# Altium PCB PCB1.PcbDoc (part 1 of 2) (continued)
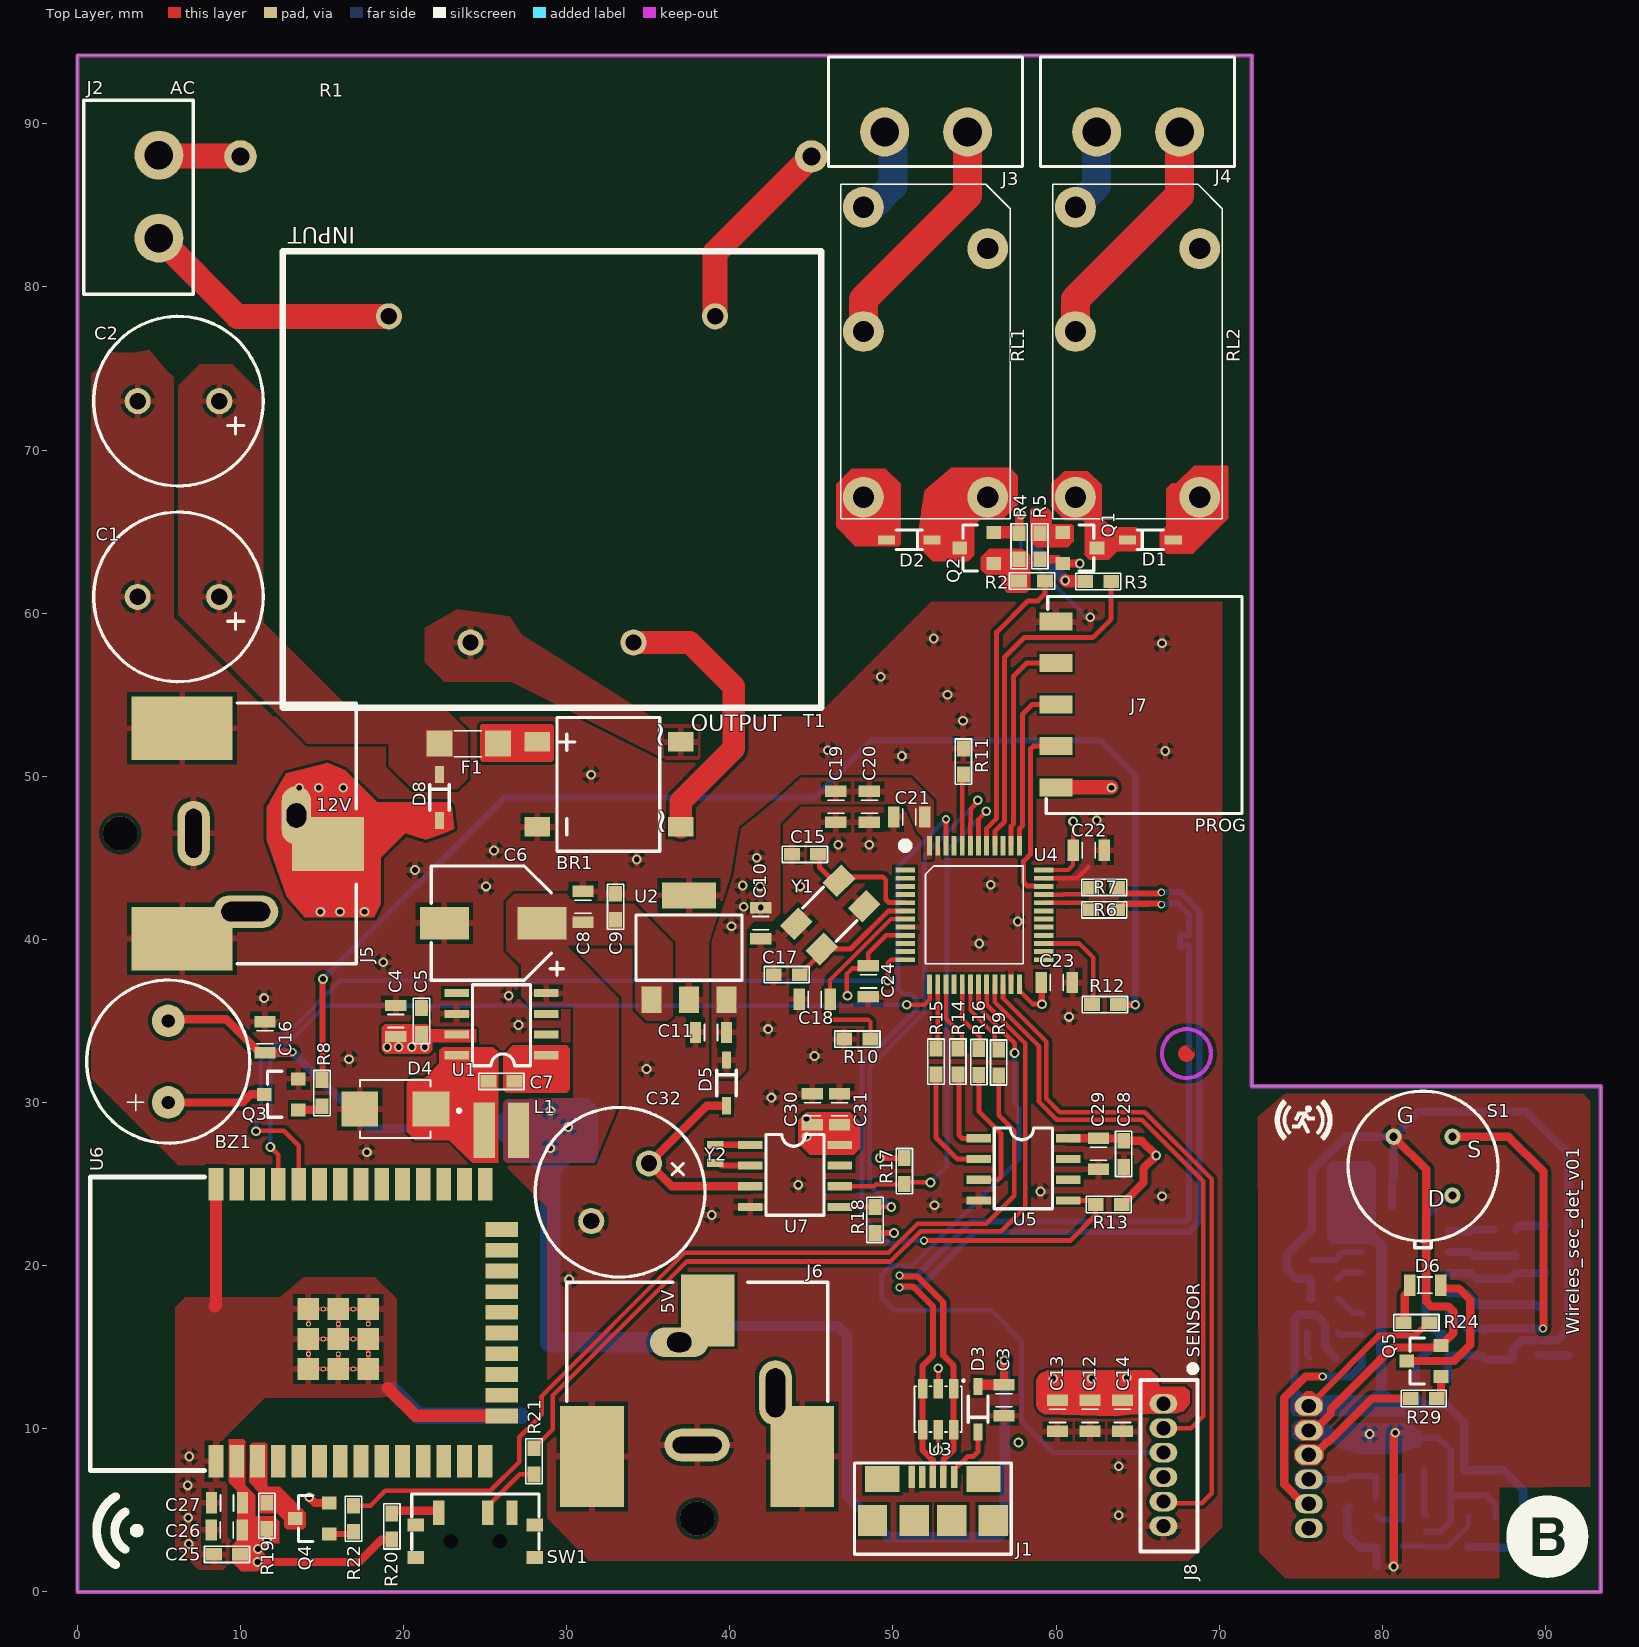
[diagram p0: Top Layer view]
## Design rules (kind name [scope] priority, off if disabled: settings)
Clearance [All] p1: gap=0.229 ignorepadtopadclearanceinfootprint=TRUE except(0: Arc-Text Track-Text SMDPad-Text THPad-Text Via-Text Fill-Text Poly-Text Region-Text Text-Text Text-Hole; 0.178: Arc-Arc Arc-Track Arc-SMDPad Arc-Via Track-Track Track-SMDPad Track-Via SMDPad-Fill SMDPad-Poly SMDPad-Region Fill-Fill Fill-Poly Fill-Region Poly-Poly Poly-Region Region-Region; 0.203: SMDPad-SMDPad SMDPad-THPad; 0.254: Arc-THPad Track-THPad SMDPad-Via THPad-THPad THPad-Via Via-Via)
ComponentClearance [All] p1: gap=0.127 collisioncheckmode=3 verticalgap=0 showdistances=FALSE
Creepage [All] p1: checkdistance=0.254
DiffPairsRouting DiffPairsRouting_1 [InDifferentialPair('MCU')] p1: maxlimit=0.185 minlimit=0.185 mostfreqgap=0.185 toplayer_minwidth=0.279 toplayer_maxwidth=0.279 toplayer_prefwidth=0.279 bottomlayer_minwidth=0.279 bottomlayer_maxwidth=0.279 bottomlayer_prefwidth=0.279 impedanceprofiledriven=TRUE impedanceprofileid={7D18F716-7BC2-454A-B3BB-95C718FD30A7} impedanceprofilevalue=90.000000 maxuncoupledlength=12.7
DiffPairsRouting [InDifferentialPair('USB')] p2: maxlimit=0.254 minlimit=0.254 mostfreqgap=0.254 toplayer_minwidth=0.373 toplayer_maxwidth=0.373 toplayer_prefwidth=0.373 bottomlayer_minwidth=0.373 bottomlayer_maxwidth=0.373 bottomlayer_prefwidth=0.373 impedanceprofiledriven=TRUE impedanceprofileid={E5969C08-C99A-4447-A7E1-02D841E366C3} impedanceprofilevalue=90.000000 maxuncoupledlength=12.7
MinimumSolderMaskSliver [All] p1: minsoldermaskwidth=0.076
NetAntennae [All] p1: netantennaetolerance=0.254
PasteMaskExpansion [All] p1: expansion=0.127
PlaneClearance [All] p1: clearance=0.762
PlaneConnect [All] p1: planeconnectstyle=Relief reliefexpansion=0.381 reliefentries=4 reliefconductorwidth=0.381 reliefairgap=0.254
PolygonConnect [All] p1: connectstyle=Relief reliefconductorwidth=0.381 reliefentries=4 polygonreliefangle="90 Angle" airgapwidth=0.254
RoutingCorners [All] p1: cornerstyle=45-Degree minsetback=2.032 maxsetback=2.032
RoutingVias [All] p1: holewidth=0.3 width=0.5 viastyle="Through Hole" minholewidth=0.25 minwidth=0.4 maxholewidth=0.5 maxwidth=1
SMDEntry [All] p1: side=TRUE corner=TRUE anyangle=TRUE
SMDToCorner [All] p1: distance=10000
SilkToSilkClearance [All] p1 off: silktosilkclearance=0
SilkToSolderMaskClearance [IsPad] p1 off: minsilkscreentomaskgap=0.127 clearancetoexposedcopper=TRUE
SolderMaskExpansion [All] p1: expansion=0.102 istentingtop=FALSE
UnRoutedNet [All] p1: checkbadconnections=TRUE
Width [All] p1: maxlimit=1.778 minlimit=0.203 preferedwidth=0.279 minimp=50.000000 maximp=50.000000 favimp=50.000000
19 further rules are at their usual default settings.

## Classes and differential pairs
component class Sensorboard: C33 C34 C35 C36 C37 C38 C39 C40 C41 C42 C43 C44 C45 C46 C47 D6 D7 J9 Q5 R23 R24 R25 R26 R27 R28 R29 R30 R31 R32 R33 R34 R35 R36 R37 RT1 S1 U8 U9
component class "Power Management": BR1 C1 C2 C3 C4 C5 C6 C7 C8 C9 C10 C11 C12 C13 C14 D1 D2 D3 D4 D8 F1 J1 J2 J3 J4 J5 J6 J7 J8 L1 Q1 Q2 R1 R2 R3 R4 R5 RL1 RL2 T1 U1 U2
component class Microcontroller: BZ1 C15 C16 C17 C18 C19 C20 C21 C22 C23 C24 C25 C26 C27 C28 C29 C30 C31 C32 D5 Q3 Q4 R6 R7 R8 R9 R10 R11 R12 R13 R14 R15 R16 R17 R18 R19 R20 R21 R22 SW1 U3 U4 U5 U6 U7 Y1 Y2
differential pair MCU: +MCU_P -MCU_N
differential pair USB: +USB_P -USB_N

## Components (designator, comment, footprint, x,y, rotation, side; value= is the part's Value field where it differs from the comment)
BR1 "DB105STR" DB105STR 32.6,49.5 r90 top
BZ1 "CMI-9605IC-0580T" CMI-9605IC 5.573,32.506 r180 top
C1 "ESH477M050AH4AA" CAP_RADIAL_D10_P5 6.2,61 r180 top
C2 "ESH477M050AH4AA" CAP_RADIAL_D10_P5 6.2,73 r180 top
C3 "CL21A475KAQNNNE" CAP_0805 56.814,11.753 r90 top
C4 "CL21B105KBFNNNE" CAP_0805 19.522,34.995 r270 top
C5 "C0603C104K4RACTU" CAP_0603 21.1,35 r270 top
C6 "EEV686M035A9HAA" CAP_EEVSERIES 25.5,41 r180 top
C7 "0603B103K160CT" CAP_0603 26,31.3 r180 top
C8 "CL21B105KBFNNNE" CAP_0805 31,42 r270 top
C9 "C0603C104K4RACTU" CAP_0603 33,42 r270 top
C10 "CL21A475KAQNNNE" CAP_0805 41.9,41 r90 top
C11 "CL21B105KBFNNNE" CAP_0805 38.85,34.3 r0 top
C12 "CL21A475KAQNNNE" CAP_0805 62.084,10.783 r90 top
C13 "CL21A475KAQNNNE" CAP_0805 60.084,10.783 r90 top
C14 "CL21B105KBFNNNE" CAP_0805 64.084,10.783 r90 top
C15 "CL10C200JB8NNNC" CAP_0603 44.608,45.219 r0 top
C16 "CL21B104KBCNNNC" CAP_0805 11.5,34 r270 top
C17 "CL10C200JB8NNNC" CAP_0603 43.492,37.836 r0 top
C18 "CL21B104KBCNNNC" CAP_0805 45.201,36.326 r180 top
C19 "CL21A475KAQNNNE" CAP_0805 46.5,48.124 r90 top
C20 "CL21B105KBFNNNE" CAP_0805 48.554,48.124 r90 top
C21 "CL21B104KBCNNNC" CAP_0805 51,47.5 r0 top
C22 "CL21B104KBCNNNC" CAP_0805 62,45.466 r180 top
C23 "CL21B104KBCNNNC" CAP_0805 60.055,37.363 r180 top
C24 "CL21B104KBCNNNC" CAP_0805 48.495,37.423 r90 top
C25 "C0603C104K4RACTU" CAP_0603 9.176,2.301 r0 top
C26 "CL21B105KBFNNNE" CAP_0805 9.156,3.8 r0 top
C27 "CL21A475KAQNNNE" CAP_0805 9.176,5.459 r0 top
C28 "C0603C104K4RACTU" CAP_0603 64.15,26.85 r90 top
C29 "CL21B105KBFNNNE" CAP_0805 62.6,26.85 r90 top
C30 "CL21B104KBCNNNC" CAP_0805 45.061,29.577 r270 top
C31 "CL21B105KBFNNNE" CAP_0805 46.721,29.595 r270 top
C32 "ESH477M050AH4AA" CAP_RADIAL_D10_P5 33.275,24.5 r225 top
C33 "0603B103K160CT" CAP_0603 86.8,21.4 r90 bottom
C34 "CL21B104KBCNNNC" CAP_0805 79.65,23.6 r180 bottom
C35 "CL21B105KBFNNNE" CAP_0805 79.712,25.292 r180 bottom
C36 "C3216X5R1E336M160AC" CAP_1206 90,21 r90 bottom
C37 "CL21B104KBCNNNC" CAP_0805 75.7,21.3 r270 bottom
C38 "0603B103K160CT" CAP_0603 87.2,18.4 r90 bottom
C39 "C3216X5R1E336M160AC" CAP_1206 89.6,16 r90 bottom
C40 "CL21B104KBCNNNC" CAP_0805 83,13 r180 bottom
C41 "CL21B104KBCNNNC" CAP_0805 87.7,15.2 r90 bottom
C42 "CL21B104KBCNNNC" CAP_0805 86.95,3.65 r270 bottom
C43 "CL21A475KAQNNNE" CAP_0805 79.65,3.65 r270 bottom
C44 "CL21B105KBFNNNE" CAP_0805 78,6.15 r90 bottom
C45 "CL21A475KAQNNNE" CAP_0805 78,10.4 r90 bottom
C46 "CL21A475KAQNNNE" CAP_0805 79.7,10.4 r90 bottom
C47 "CL21B105KBFNNNE" CAP_0805 81.4,10.4 r90 bottom
D1 "1N4148WS" SOD323F 65.788,64.5 r270 top
D2 "1N4148WS" SOD323F 51.007,64.5 r90 top
D3 "1N4148WS" SOD323F 55.225,11.2 r0 top
D4 "1SMB5919BT3G" SMB 19.5,29.6 r180 top
D5 "1N4148WS" SOD323F 39.8,31.2 r180 top
D6 "150080RS75000" LED_RED_0805 82.65,18.8 r0 top
D7 "150080GS75000" LED_GREEN_0805 76.35,15.9 r0 bottom
D8 "1N4148WS" SOD323F 22.2,48.7 r180 top
F1 "3413.0216.22" 3413.0216.22 24,52 r0 top
J1 "10118192-0001LF" MICRO_B_USB 52.45,5.7 r0 top
J2 "TBP01R1-508-02BE" TBP01R1-508 5,85.54 r270 top
J3 "TBP01R1-508-02BE" TBP01R1-508 52.035,89.5 r180 top
J4 "TBP01R1-508-02BE" TBP01R1-508 65.035,89.5 r180 top
J5 "PJ-037AH-SMT-TR" JACK 9,46.5 r0 top
J6 "PJ-037AH-SMT-TR" JACK 38,10.875 r90 top
J7 "SMH-105-02-L-S" PIN_HEADER_1X5_RA 60,54.4 r90 top
J8 "64800611622" 64800611622 66.584,7.783 r270 top
J9 "64800611622" 64800611622 75.5,7.65 r270 bottom
L1 "78438335470" IND_1212 26,28.3 r0 top
Q1 "MMBT3904-7-F" SOT23F 61.462,64 r270 top
Q2 "MMBT3904-7-F" SOT23F 55.141,64 r90 top
Q3 "MMBT3904-7-F" SOT23F 12.5,30.5 r90 top
Q4 "MMBT3904-7-F" SOT23F 14.4,4.5 r90 top
Q5 "MMBT3904-7-F" SOT23F 82.55,14.15 r90 top
R1 "5WD27" RES_AXIAL_W 27.5,88 r0 top
R2 "RC0603FR-071KL" RES_0603 58.529,61.976 r180 top
R3 "RC0603FR-071KL" RES_0603 62.586,61.945 r180 top
R4 "RC0603FR-0710KL" RES_0603 57.741,64.1 r270 top
R5 "RC0603FR-0710KL" RES_0603 59.012,64.1 r90 top
R6 "RC0603JR-0715RL" RES_0603 62.952,41.815 r0 top
R7 "RC0603JR-0715RL" RES_0603 62.952,43.188 r0 top
R8 "RC0603FR-07100RL" RES_0603 15,30.575 r270 top
R9 "RC0603FR-07100RL" RES_0603 56.486,32.452 r270 top
R10 "RC0603FR-07100RL" RES_0603 47.824,33.885 r0 top
R11 "RC0603FR-07100RL" RES_0603 54.321,50.905 r270 top
R12 "RC0603FR-07100RL" RES_0603 63,36 r0 top
R13 "RC0603FR-0710KL" RES_0603 63.236,23.753 r180 top
R14 "RC0603FR-07100RL" RES_0603 53.985,32.513 r90 top
R15 "RC0603FR-07100RL" RES_0603 52.643,32.513 r90 top
R16 "RC0603FR-07100RL" RES_0603 55.266,32.483 r90 top
R17 "RC0603FR-074K7L" RES_0603 50.7,25.8 r90 top
R18 "RC0603FR-074K7L" RES_0603 48.9,22.8 r270 top
R19 "RC0603FR-071KL" RES_0603 11.617,4.665 r90 top
R20 "RC0603FR-07100RL" RES_0603 19.28,4.008 r270 top
R21 "RC0603FR-07100RL" RES_0603 28,8 r270 top
R22 "RC0603FR-07100RL" RES_0603 16.927,4.483 r270 top
R23 "RC0603JR-07220KL" RES_0603 77.3,21.3 r270 bottom
R24 "RC0603FR-07100RL" RES_0603 82.1,16.5 r0 top
R25 "RC0603JR-07560KL" RES_0603 85.5,21.4 r90 bottom
R26 "RC0603FR-071KL" RES_0603 76.35,14.35 r0 bottom
R27 "RC0603FR-0710KL" RES_0603 88.2,21.4 r270 bottom
R28 "RC0603JR-07560KL" RES_0603 85.8,18.4 r90 bottom
R29 "RC0603FR-071KL" RES_0603 82.55,11.85 r0 top
R30 "RC0603JR-070RL" RES_0603 76.45,17.95 r0 bottom
R31 "RC0603JR-070RL" RES_0603 76.4,19.2 r0 bottom
R32 "RC0603FR-0743KL" RES_0603 86.2,15.2 r90 bottom
R33 "RC0603FR-0710KL" RES_0603 91.4,15.3 r270 bottom
R34 "RC0603JR-07220KL" RES_0603 80.4,7.1 r180 bottom
R35 "RC0603FR-071KL" RES_0603 81.2,3.6 r90 bottom
R36 "RC0603JR-07220KL" RES_0603 80.4,5.8 r180 bottom
R37 "RC0603FR-0710KL" RES_0603 83.4,5.9 r180 bottom
RL1 "ALQ112" ALQ112 52,76 r90 top
RL2 "ALQ112" ALQ112 65,76 r90 top
RT1 "TFPT1206L1002FM" RES_1206 83.8,7.5 r0 bottom
S1 "LHI 878/3902" "LHI 878/3902" 82.5,26.1 r0 top
SW1 "EG1215AA" EG1215AA 24.4,3.1 r0 top
T1 "BV302S12010-ZU" BV302S 29.1,68.2 r0 top
U1 "LM2675MX-12/NOPB" "SOIC 8" 26,34.8 r90 top
U2 "AP7361-33E-13" SOT223 37.5,39.5 r0 top
U3 "USBLC6-2SC6" SOT23-6L 52.775,11.2 r270 top
U4 "STM32F103C6T6A" LQFP-48 55,41.5 r270 top
U5 "MAX6662" "SOIC 8" 58,25.9 r270 top
U6 "ESP32-WROOM-32" ESP32-32 13.76,16.5 r90 top
U7 "M41T00SM6F" "SOIC 8" 44,25.5 r270 top
U8 "NCS36000DRG" SOIC-14 81.4,18.3 r180 bottom
U9 "OPA314AIDBVR" SOT23-5 84,3.7 r0 bottom
Y1 "ECS-160-20-30B-TR" ECS 46.164,41.5 r45 top
Y2 "ABS05-32.768KHZ-T" ABS05 39.101,26.84 r90 top

## Footprints (in the part's own frame and the unit in brackets; to place one, negate y for a bottom-side part, rotate by r counter-clockwise, add the part's x,y. Pads: shape width x height; smd on the part's side, far side on the other; paste and mask are expansions set on the pad)
3413.0216.22 [mm]
  rect 1.6x1.6 smd mask+0.05: 1(-1.8,0) 2(1.8,0)
  silkscreen extent -0.9,-0.8 0.8,0.8, body extent -1.6,-0.8 1.6,0.8, height 0.61
64800611622 [mm]
  oval 1.2x1.7 hole 0.87 mask+0.05: 1(-3.75,0) 2(-2.25,0) 3(-0.75,0) 4(0.75,0) 5(2.25,0) 6(3.75,0)
  silkscreen extent -6.1,-1.4 5.3,2.1, body extent -5.25,-1.4 5.25,2.1, height 4.75
ABS05 [mm]
  rect 0.5x1 smd mask+0.05: 1(-0.55,0) 2(0.55,0)
  body extent -0.8,-0.5 0.8,0.5, height 0.5
ALQ112 [mm]
  round 2.5 hole 1.3 mask+0.05: 1(6.35,-3.81) 2(1.27,3.81) 3(8.89,3.81) 4(-8.89,-3.81) 5(-8.89,3.81)
  silkscreen extent -10.22,-5.2 10.3,5.2, body extent -10,-4.99 10,5.01, height 15.6
BV302S [mm]
  round 1.6 hole 1 mask+0.05: 1(10,10) 5(-10,10) 7(-5,-10) 9(5,-10)
  silkscreen extent -16.5,-14 16.5,14, body extent -16.25,-13.75 16.25,13.75, height 21.8
CAP_0603 [mil]
  rect 38x31 smd mask+1.97: 1(-31.5,0) 2(31.5,0)
  silkscreen extent -55,-20 54,20, body extent -39,-20 43,21, height 31
CAP_0805 [mm]
  rect 0.7x1.3 smd mask+0.05: 1(-0.95,0) 2(0.95,0)
  silkscreen extent -0.4,-0.5 0.4,0.5, body extent -1.3,-0.68 1.3,0.68, height 0.9
CAP_1206 [mm]
  rect 0.9x1.6 smd mask+0.05: 1(-1.45,0) 2(1.45,0)
  silkscreen extent -0.6,-0.7 0.5,0.8, body extent -1.97,-0.98 1.97,0.98, height 1.3
CAP_EEVSERIES [mm] "EEV686M035A9HAA"
  rect 3x2 smd mask+0.05: 1(-3,0) 2(3,0)
  silkscreen extent -4.3,-3.5 3.8,3.5, body extent -3.8,-3.4 3.8,3.4, height 7.7
CAP_RADIAL_D10_P5 [mm]
  round 1.6 hole 1 mask+0.05: 1(-2.5,0) 2(2.5,0)
  silkscreen extent -5.2,-5.2 5.2,5.2, body extent -5.25,-5.25 5.25,5.25, height 22.2
CMI-9605IC [mm]
  round 2 hole 0.8 mask+0.05: 1(0,2.5) 2(0,-2.5)
  silkscreen extent -5,-5 5,5, body extent -6.5,-4.8 4.8,4.8, height 5.06
DB105STR [mm]
  rect 1.2x1.55 smd mask+0.05: 1(-2.605,-4.4) 2(2.605,-4.4) 3(2.605,4.4) 4(-2.605,4.4)
  silkscreen extent -4.1,-3.1 4.1,3.2, body extent -4.16,-5.2 4.16,5.2, height 2.66
ECS [mm]
  rect 1.6x1.25 smd mask+0.05: 1(-1.85,-1.1) 2(1.85,-1.1) 3(1.85,1.1) 4(-1.85,1.1)
  silkscreen extent -0.9,-1.4 0.9,1.5, body extent -2.5,-1.6 2.5,1.6, height 0.85
EG1215AA [mm]
  rect 0.7x1.5 smd mask+0.05: 1(-2.25,1.75) 2(0.75,1.75) 3(2.25,1.75)
  rect 1x0.8 smd mask+0.05: ""(-3.65,-0.996) ""(-3.65,1.004) ""(3.65,-1) ""(3.65,1)
  round 0 hole 0.9 mask+0.05: ""(-1.5,0) ""(1.5,0)
  silkscreen extent -3.9,-0.5 3.9,2.9, body extent -3.85,-2.7 3.85,2.2, height 1.4
ESP32-32 [mm]
  rect 2x0.9 smd mask+0.05: 1(-8.5,5.26) 2(-8.5,3.99) 3(-8.5,2.72) 4(-8.5,1.45) 5(-8.5,0.18) 6(-8.5,-1.09) 7(-8.5,-2.36) 8(-8.5,-3.63) 9(-8.5,-4.9) 10(-8.5,-6.17) 11(-8.5,-7.44) 12(-8.5,-8.71) 13(-8.5,-9.98) 14(-8.5,-11.25) 25(8.5,-11.25) 26(8.5,-9.98) 27(8.5,-8.71) 28(8.5,-7.44) 29(8.5,-6.17) 30(8.5,-4.9) 31(8.5,-3.63) 32(8.5,-2.36) 33(8.5,-1.09) 34(8.5,0.18) 35(8.5,1.45) 36(8.5,2.72) 37(8.5,3.99) 38(8.5,5.26)
  rect 0.9x2 smd mask+0.05: 15(-5.715,-12.25) 16(-4.445,-12.25) 17(-3.175,-12.25) 18(-1.905,-12.25) 19(-0.635,-12.25) 20(0.635,-12.25) 21(1.905,-12.25) 22(3.175,-12.25) 23(4.445,-12.25) 24(5.715,-12.25)
  rect 1.33x1.33 smd mask+0.05: 39(-2.835,-2.24) 39(-2.835,-0.405) 39(-2.835,-4.075) 39(-1,-0.405) 39(-1,-4.075) 39(-1,-2.24) 39(0.835,-0.405) 39(0.835,-4.075) 39(0.835,-2.24)
  round 0.3 hole 0.2 mask+0.05: 39(-2.835,-1.322) 39(-2.835,-3.157) 39(-1.917,-2.24) 39(-1.917,-0.405) 39(-1.917,-4.075) 39(-1,-1.322) 39(-1,-3.157) 39(-0.082,-0.405) 39(-0.082,-2.24) 39(-0.082,-4.075) 39(0.835,-1.322) 39(0.835,-3.157)
  silkscreen extent -9.07,5.97 8.93,12.97, body extent -8.97,-12.6 8.93,12.8, height 2.61
IND_1212 [mm]
  rect 1.3x3.4 smd mask+0.05: 1(-1.05,0) 2(1.05,0)
  body extent -1.5,-1.5 1.5,1.5, height 1.2
JACK [mm] "PJ-037AH-SMT-TR"
  oval 1.8x3.6 hole 1.2 slot 1.5 at 90 deg mask+0.05: 1(4.425,1.1)
  rect 4.4x3.3 smd mask+0.05: 1(6.375,-0.65)
  rect 6.2x3.9 smd mask+0.05: 2(-2.575,6.45) 3(-2.575,-6.45)
  oval 2x4 hole 1 slot 3 at 90 deg mask+0.05: 2(-1.875,0)
  oval 4x2 hole 1.2 slot 3 at 0 deg mask+0.05: 33(1.325,-4.8)
  round 2.1 hole 2.1 unplated mask+0.05: ""(-6.375,0)
  silkscreen extent 0.8,-8 8.1,8, body extent -9.37,-7.6 7.73,7.6, height 11.1
LED_GREEN_0805 [mm]
  rect 0.7x1.3 smd mask+0.05: A(-0.95,0) C(0.95,0)
  silkscreen extent -0.5,-0.5 0.4,0.5, body extent -1.01,-0.63 1.01,0.63, height 0.8
LED_RED_0805 [mm]
  rect 0.7x1.3 smd mask+0.05: A(-0.95,0) C(0.95,0)
  silkscreen extent -0.5,-0.5 0.4,0.5, body extent -1.01,-0.63 1.01,0.63, height 0.8
"LHI 878/3902" [mm]
  round 1 hole 0.5 mask+0.05: 1(1.8,-1.8) 2(1.8,1.8) 3(-1.8,1.8)
  silkscreen extent -4.6,-5 4.6,4.6, body extent -4.6,-5.03 4.6,4.6, height 4.52
LQFP-48 [mm] "7mm x 7mm"
  rect 0.3x1.2 smd mask+0.05: 1(-2.75,-4.25) 2(-2.25,-4.25) 3(-1.75,-4.25) 4(-1.25,-4.25) 5(-0.75,-4.25) 6(-0.25,-4.25) 7(0.25,-4.25) 8(0.75,-4.25) 9(1.25,-4.25) 10(1.75,-4.25) 11(2.25,-4.25) 12(2.75,-4.25) 25(2.75,4.25) 26(2.25,4.25) 27(1.75,4.25) 28(1.25,4.25) 29(0.75,4.25) 30(0.25,4.25) 31(-0.25,4.25) 32(-0.75,4.25) 33(-1.25,4.25) 34(-1.75,4.25) 35(-2.25,4.25) 36(-2.75,4.25)
  rect 1.2x0.3 smd mask+0.05: 13(4.25,-2.75) 14(4.25,-2.25) 15(4.25,-1.75) 16(4.25,-1.25) 17(4.25,-0.75) 18(4.25,-0.25) 19(4.25,0.25) 20(4.25,0.75) 21(4.25,1.25) 22(4.25,1.75) 23(4.25,2.25) 24(4.25,2.75) 37(-4.25,2.75) 38(-4.25,2.25) 39(-4.25,1.75) 40(-4.25,1.25) 41(-4.25,0.75) 42(-4.25,0.25) 43(-4.25,-0.25) 44(-4.25,-0.75) 45(-4.25,-1.25) 46(-4.25,-1.75) 47(-4.25,-2.25) 48(-4.25,-2.75)
  silkscreen extent -4.45,-4.45 3,3, body extent -4.45,-4.5 4.55,4.5, height 1.5
MICRO_B_USB [mm]
  rect 0.4x1.35 smd mask+0.05: 1(1.3,1.338) 2(0.65,1.338) 3(0,1.338) 4(-0.65,1.338) 5(-1.3,1.338)
  rect 1.8x1.9 smd mask+0.05: ""(-3.7,-1.338) ""(-1.15,-1.338) ""(1.15,-1.338) ""(3.7,-1.338)
  rect 2.1x1.6 smd mask+0.05: ""(-3.1,1.212) ""(3.106,1.212)
  silkscreen extent -4.8,-3.4 4.8,2.2, body extent -3.96,-4 3.96,1.67, height 2.55
PIN_HEADER_1X5_RA [mm] "SMH-105-02-L-S"
  rect 1.1x2 smd mask+0.05: 1(-5.08,0) 2(-2.54,0) 3(0,0) 4(2.54,0) 5(5.08,0)
  silkscreen extent -6.68,-11.4 6.62,0.6, body extent -6.62,-11.45 6.59,0.49, height 2.41
RES_0603 [mil]
  rect 38x31 smd mask+1.97: 1(-31.5,0) 2(31.5,0)
  silkscreen extent -54,-20 54,20, body extent -39,-19 39,20, height 17
RES_1206 [mm]
  rect 0.9x1.6 smd mask+0.05: 1(-1.225,0) 2(1.225,0)
  silkscreen extent -0.6,-0.8 0.6,0.8, body extent -1.6,-0.83 1.6,0.83, height 0.53
RES_AXIAL_W [mm]
  round 2 hole 1.1 mask+0.05: 1(-17.5,0) 2(17.5,0)
  body extent -17.9,-4.8 17.9,4.85, height 9.65
SMB [mm] "1SMB5919BT3G"
  rect 2.25x2.12 smd mask+0.05: A(2.185,0) C(-2.185,0)
  silkscreen extent -4,-1.78 2.16,1.78, body extent -2.72,-1.78 2.72,1.78, height 2.44
SOD323F [mm] "1N4148WS"
  rect 0.55x1.05 smd mask+0.05: A(0,-1.4) C(0,1.4)
  silkscreen extent -0.6,-0.8 0.6,0.8, body extent -0.63,-1.25 0.63,1.25, height 0.9
"SOIC 8" [mm]
  rect 0.5x1.5 smd mask+0.05: 1(-1.905,-2.75) 2(-0.635,-2.75) 3(0.635,-2.75) 4(1.905,-2.75) 5(1.905,2.75) 6(0.635,2.75) 7(-0.635,2.75) 8(-1.905,2.75)
  silkscreen extent -2.54,-1.78 2.41,1.78, body extent -2.45,-3 2.45,3, height 1.7
SOIC-14 [mm]
  rect 1.18x0.58 smd mask+0.05: 1(-2.66,3.81) 2(-2.66,2.54) 3(-2.66,1.27) 4(-2.66,0) 5(-2.66,-1.27) 6(-2.66,-2.54) 7(-2.66,-3.81) 8(2.66,-3.81) 9(2.66,-2.54) 10(2.66,-1.27) 11(2.66,0) 12(2.66,1.27) 13(2.66,2.54) 14(2.66,3.81)
  silkscreen extent -1.9,-4.2 1.9,4.3, body extent -3,-4.28 3,4.28, height 0.82
SOT23-5 [mm] "OPA314AIDBVR"
  rect 1.1x0.6 smd mask+0.05: 1(-1.3,0.95) 2(-1.3,0) 3(-1.3,-0.95) 4(1.3,-0.95) 5(1.3,0.95)
  silkscreen extent -0.6,-1.3 0.6,1.3, body extent -1.4,-1.45 1.4,1.45, height 1.45
SOT23-6L [mm]
  rect 1.21x0.59 smd mask+0.05: 1(-1.255,0.95) 2(-1.255,0) 3(-1.255,-0.95) 4(1.255,-0.95) 5(1.255,0) 6(1.255,0.95)
  silkscreen extent -1.79,-1.45 1.4,1.59, body extent -1.4,-1.46 1.4,1.46, height 1.45
SOT23F [mm] "SSM3K376R,LF"
  rect 0.8x0.9 smd mask+0.05: 1(-0.95,-1.05) 2(0.95,-1.05) 3(0,1.05)
  silkscreen extent -1.41,-0.04 1.41,0.84, body extent -1.45,-1.2 1.45,1.2, height 0.9
SOT223 [mm] "AP7361-33E-13"
  rect 1.2x1.6 smd mask+0.05: 1(-2.3,-3.2) 2(0,-3.2) 3(2.3,-3.2)
  rect 3.3x1.6 smd mask+0.05: 2(0,3.2)
  silkscreen extent -3.25,-2 3.25,2, body extent -3.25,-3.48 3.25,3.48, height 1.65
TBP01R1-508 [mm]
  round 3 hole 1.75 mask+0.05: 1(-2.54,0) 2(2.54,0)
  silkscreen extent -5.91,-4.6 5.98,2.11, body extent -5.88,-9.96 5.88,2.04, height 8.5

## Part data
BR1: "Bridge Rect 1PHASE 600V 1A Db-s", Manufacturer="Sangdest Microelectronics", Manufacturer Part Number=DB105S, Max Current=1A, Operating Voltage=600V, Supplier Part Number 1=1655-DB105SCT-ND, Case/Package=DB105STR, Category=Uncategorized, Designed by=berkay, Pricing 1="1=0,44, 10=0,267, 100=0,1688, 500=0,12602 (USD)", RoHS=No, Stock 1=8973, Supplier 1=Digikey
BZ1: "Buzzers Indicator, Internally Driven Magnetic 5 V 30mA 2.7kHz 80dB @ 5V, 10cm Through Hole PC Pins", Case/Package=CMI-9605IC, Manufacturer="CUI Devices", Supplier Part Number 1=2223-CMI-9605IC-0580T-ND, Category=Buzzers, Designed by=berkay, Height=5mm, Length=9.6mm, Manufacturer Part Number=CMI-9605IC-0580T, Pricing 1="1=1,14, 10=0,932, 25=0,8584, 50=0,8072, 150=0,73213, 300=0,73127 (USD)", RoHS=No, Shape=4456Shape, Stock 1=3286, Supplier 1=Digikey, Width=9.6mm
C1 C2 C32: library part "CAP ALU ELEC 470uF 50V", "Electrolytic capacitor, 470 µF, 50 V (DC), ±20 %, radial, pitch 5 mm, Ø 13 mm", Capacitance=470uF, Manufacturer=KEMET, Supplier Part Number 1=399-15683-ND, Voltage Rating (DC)=50V, Category=LDO, ComponentLink1Description=https://api.kemet.com/component-edge/download/datasheet/ESH477M050AH4AA.pdf?src-supplier=Digikey, ComponentLink1URL=https://api.kemet.com/component-edge/download/datasheet/ESH477M050AH4AA.pdf?src-supplier=Digikey, ComponentLink2Description=https://datasheet.octopart.com/ESH477M050AH4AA-KEMET-datasheet-130075338.pdf?src-supplier=Newark, ComponentLink2URL=https://datasheet.octopart.com/ESH477M050AH4AA-KEMET-datasheet-130075338.pdf?src-supplier=Newark, Designed by=berkay, Diameter=10mm, Height=20mm, Manufacturer Part Number=ESH477M050AH4AA, Pricing 1="1=0,69, 10=0,419, 50=0,3094, 200=0,2473, 600=0,21237, 1000=0,19938, 2600=0,17944, 5000=0,16849 (USD)", Pricing 2="1=0,51, 10=0,345, 25=0,306, 50=0,266, 100=0,227, 500=0,191, 1000=0,156 (USD)", RoHS=Yes, Stock 1=9368, Stock 2=6, Supplier 1=Digikey, Supplier 2=Newark, Supplier Part Number 2=87AC7326
C3 C10 C12 C13 C19 C27 C43 C45 C46: library part "CAP CER 4.7uF 0805", "Ceramic Capacitor, 4.7 uF, 25 V, ± 10%, X5R, 0805 [2012 Metric]", Capacitance=4.7uF, Case Code (Metric)=2012, Case Code (Imperial)=0805, Dielectric=X5R, Manufacturer=Samsung, Max Operating Temperature=85°C, Min Operating Temperature=-55°C, Supplier Part Number 1=1276-1244-6-ND, Tolerance=10%, Voltage Rating=25V, Case/Package=0805, Category="Ceramic Capacitors", ComponentLink1Description=https://datasheet.ciiva.com/25798/cl21a475kaqnnne-25798882.pdf?src-supplier=Digikey, ComponentLink1URL=https://datasheet.ciiva.com/25798/cl21a475kaqnnne-25798882.pdf?src-supplier=Digikey, Construction=Flat, Depth=1.25mm, Designed by=berkay, Height=1.25mm, Lead Free="Lead Free", Length=2mm, Manufacturer Part Number=CL21A475KAQNNNE, Material=Ceramic, Mount="Surface Mount", Packaging="Tape and Reel", Pricing 1="1=0,1, 10=0,048, 100=0,03, 1000=0,02035 (USD)", Radiation Hardening=No, RoHS=Yes, RoHS Compliant=Yes, Series=CL, Stock 1=2758333, Supplier 1=Digikey, Voltage Rating (DC)=25V
C4 C8 C11 C14 C20 C26 C29 C31 C35 C44 C47: library part "CAP CER 1uF 0805", "Ceramic Capacitor, 1 uF, 50 V, ï¿½ 10%, X7R, 0805 [2012 Metric]", Capacitance=1uF, Case Code (Metric)=2012, Case Code (Imperial)=0805, Dielectric=X7R, Manufacturer=Samsung, Max Operating Temperature=125°C, Min Operating Temperature=-55°C, Package Quantity=1, Supplier Part Number 1=1276-1029-1-ND, Tolerance=10%, Voltage=50V, Case/Package=0805, Category="Ceramic Capacitors", ComponentLink1Description=https://datasheet.ciiva.com/25800/cl21b105kbfnnne-25800291.pdf?src-supplier=Digikey, ComponentLink1URL=https://datasheet.ciiva.com/25800/cl21b105kbfnnne-25800291.pdf?src-supplier=Digikey, ComponentLink2Description=https://datasheet.ciiva.com/16449/cl21b105kbfnnne-16449003.pdf?src-supplier=Future+Electronics, ComponentLink2URL=https://datasheet.ciiva.com/16449/cl21b105kbfnnne-16449003.pdf?src-supplier=Future+Electronics, Construction=Flat, Depth=1.25mm, Designed by=berkay, Height=1.25mm, Length=2mm, Manufacturer Part Number=CL21B105KBFNNNE, Material=Ceramic, Mount="Surface Mount", Packaging="Tape and Reel", Pricing 1="1=0,1, 10=0,051, 100=0,0321, 1000=0,02181 (USD)", Radiation Hardening=No, RoHS=Yes, RoHS Compliant=Yes, Series=CL, Stock 1=643042, Supplier 1=Digikey, Thickness=0.053inch, Voltage Rating=50V, Voltage Rating (DC)=50V, Width=0.049inch
C5 C9 C25 C28: library part "CAP CER 100nF 0603", "Ceramic Capacitor, 0.1 uF, 16 V, ï¿½ 10%, X7R, 0603 [1608 Metric]", Capacitance=100nF, Case Code (Metric)=1608, Case Code (Imperial)=0603, Dielectric=X7R, Manufacturer=KEMET, Max Operating Temperature=125°C, Min Operating Temperature=-55°C, Package Quantity=4000, Supplier Part Number 1=399-C0603C104K4RACTUCT-ND, Temperature Coefficient=30ppm/°C, Tolerance=10%, Voltage=16V, Case/Package=0603, Category="Ceramic Capacitors", ComponentLink1Description=https://datasheet.ciiva.com/22749/kem-c1002-x7r-smd-22749657.pdf?src-supplier=Element14, ComponentLink1URL=https://datasheet.ciiva.com/22749/kem-c1002-x7r-smd-22749657.pdf?src-supplier=Element14, ComponentLink2Description=https://datasheet.ciiva.com/14589/70095383-14589014.pdf?src-supplier=Allied+Electronics, ComponentLink2URL=https://datasheet.ciiva.com/14589/70095383-14589014.pdf?src-supplier=Allied+Electronics, ComponentLink3Description=https://datasheet.ciiva.com/5413/kem-c1002-x7r-smd-5413791.pdf?src-supplier=Mouser, ComponentLink3URL=https://datasheet.ciiva.com/5413/kem-c1002-x7r-smd-5413791.pdf?src-supplier=Mouser, ComponentLink4Description=https://datasheet.ciiva.com/18192/getdatasheetpartid-330584-18192695.pdf?src-supplier=Verical, ComponentLink4URL=https://datasheet.ciiva.com/18192/getdatasheetpartid-330584-18192695.pdf?src-supplier=Verical, Construction=Flat, Depth=0.8mm, Designed by=berkay, Dissipation Factor=3.5%, Height=0.8mm, Lead Free="Lead Free", Lead Pitch=0.7mm, Length=1.6mm, Manufacturer Part Number=C0603C104K4RACTU, Material=Ceramic, Mount="Surface Mount,PCB", Packaging="Tape and Reel", Pricing 1="1=0,1, 10=0,042, 100=0,0259, 1000=0,01743 (USD)", Radiation Hardening=No, Reach SVHC Compliant=No, RoHS=Yes, RoHS Compliant=Yes, Series="SMD Comm X7R", Stock 1=2572838, Supplier 1=Digikey, Termination=SMD/SMT, Voltage Rating=16V, Voltage Rating (AC)=16V, Voltage Rating (DC)=16V, Weight=7.1E-05oz, Width=0.8mm